# Allegro board FMDEMOD-before-back-annote.brd (continued)
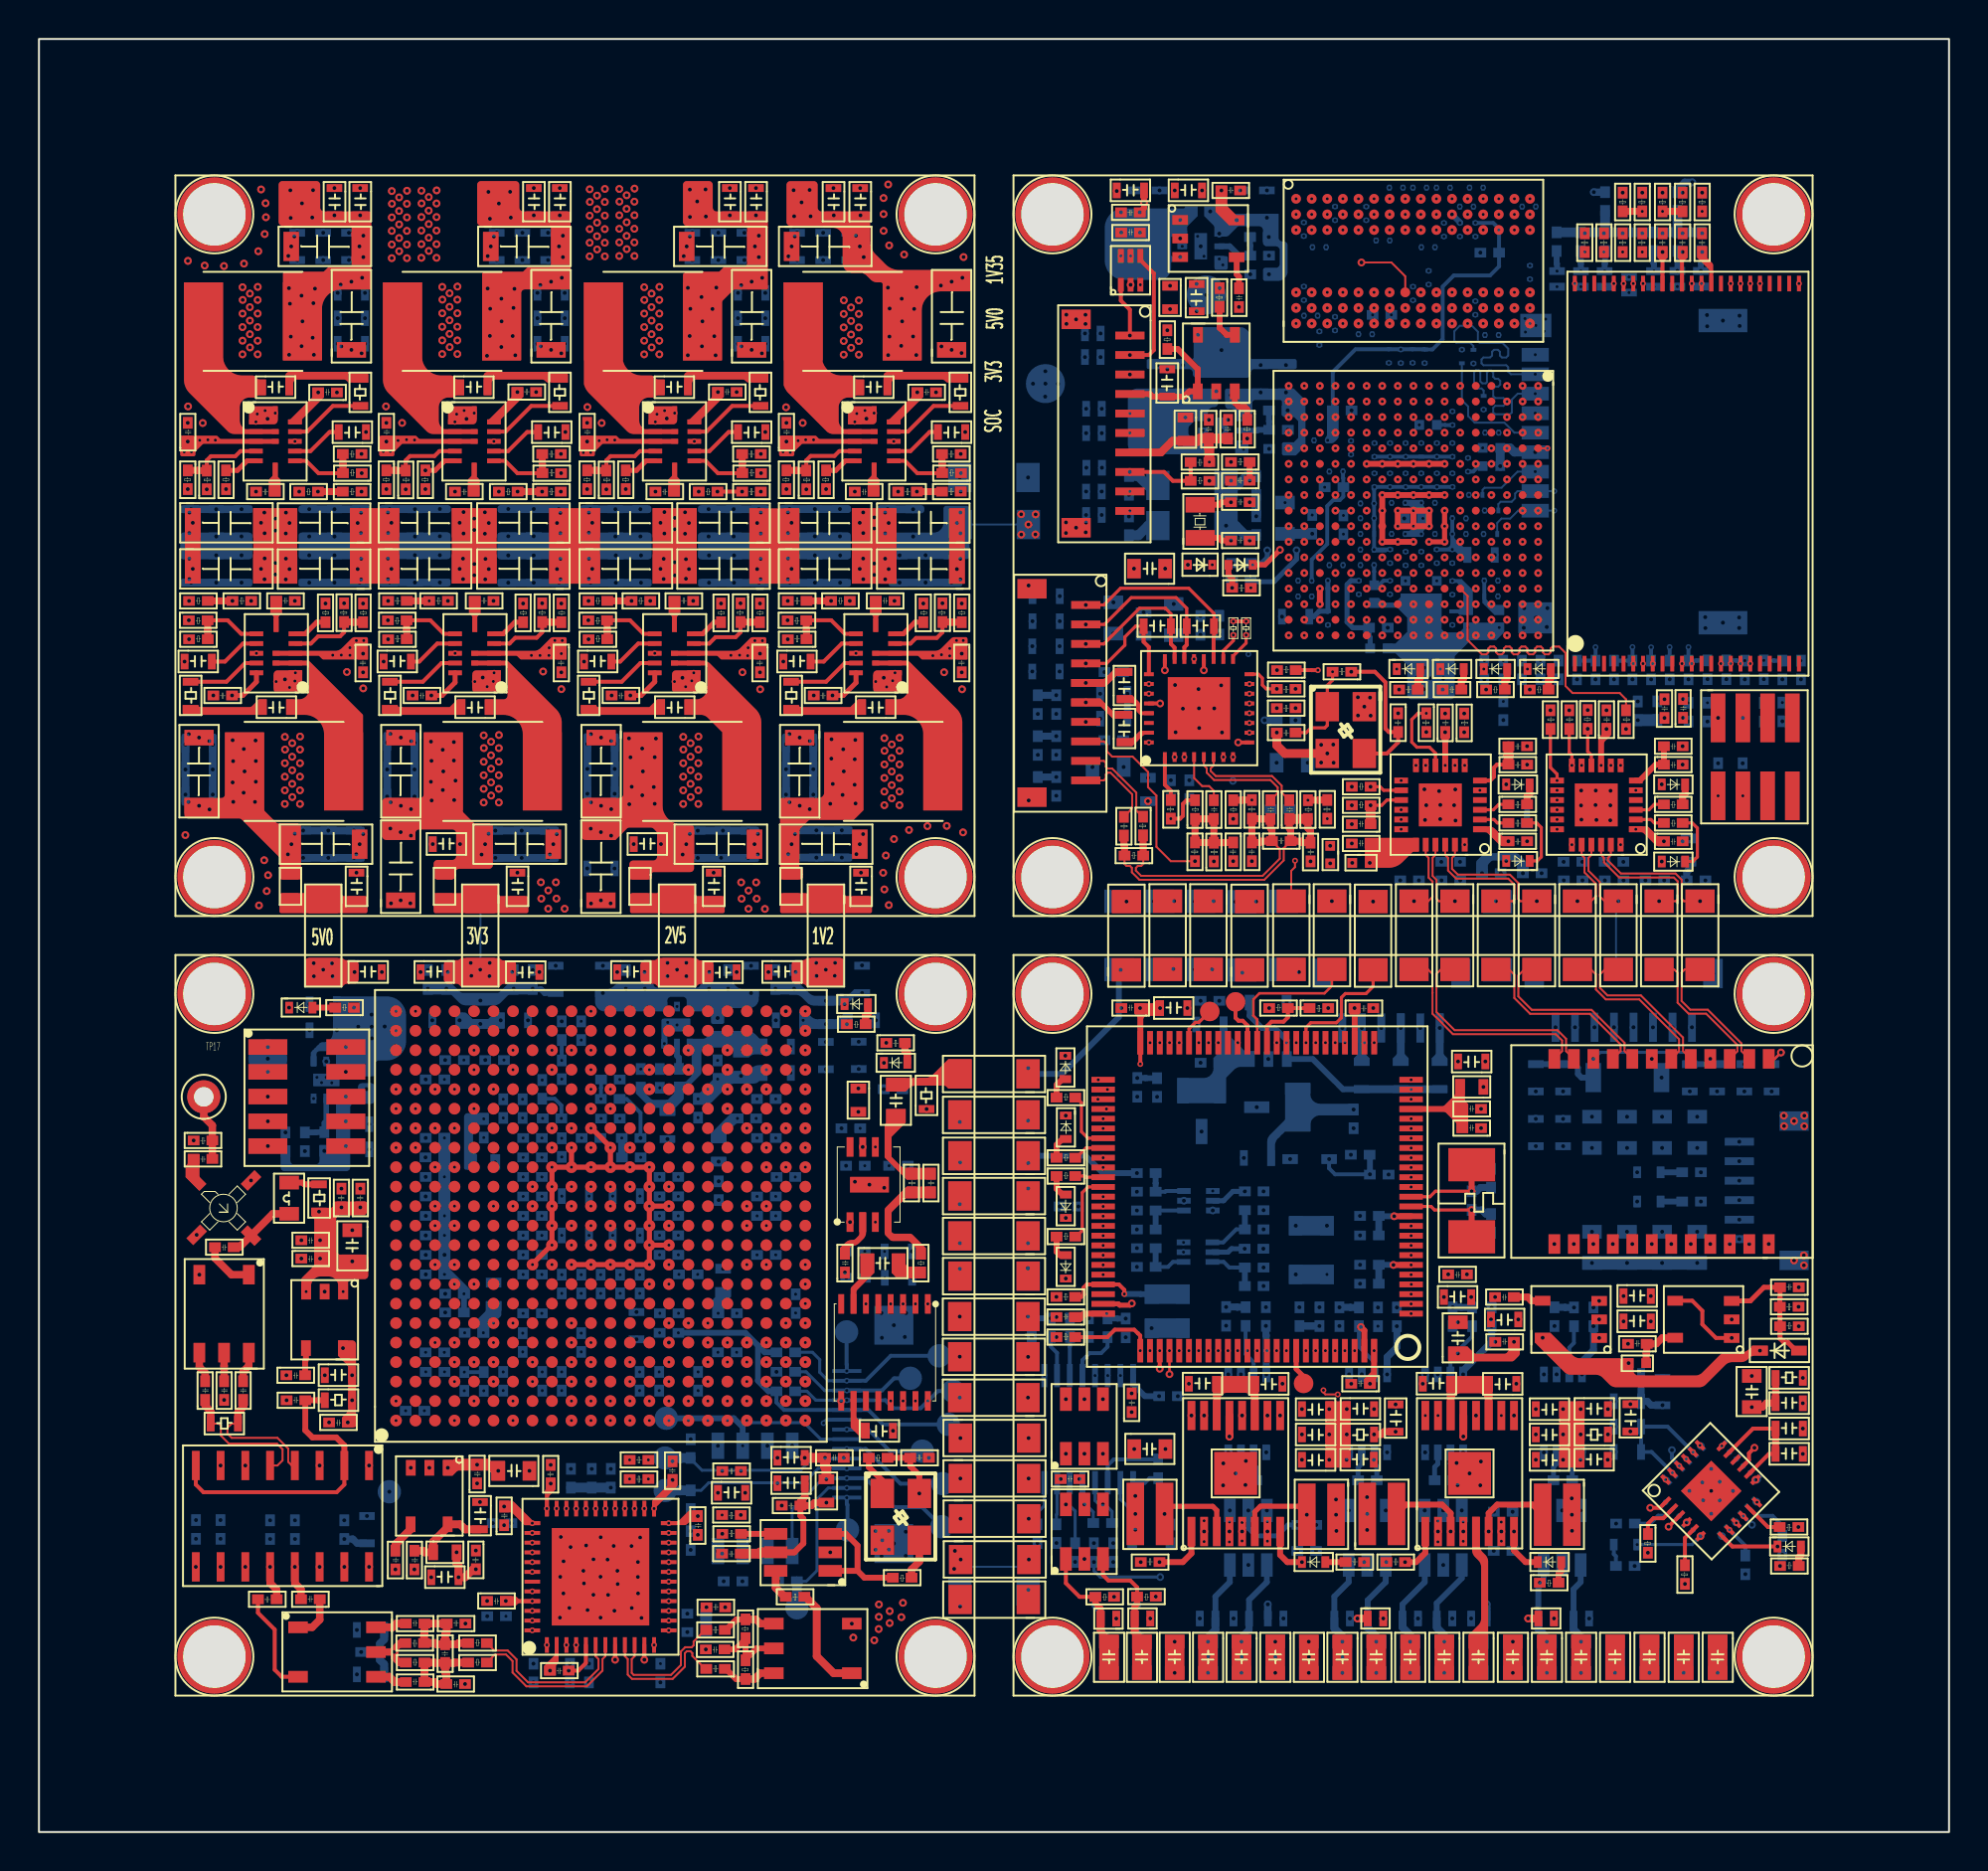
[diagram p0: board, top side]
## Routing (per net, layer and track width the routed paths; a pad name or vN(x,y) marks a point on that pad's centre or on a via; arc(x,y) is an arc through that point) (continued)
SDQS0P: length 22
  SIGNAL-L7 w0.1: v13(66.52,70.2) 67.09,70.2 67.36,69.92 67.36,68.13 67.01,67.78 65.7,67.78 65.6,67.68 65.6,67.35 65.74,67.21 67.58,67.21 67.91,67.54 67.91,68.04 68.35,68.48 68.35,68.65 68.19,68.81 68.19,69.48 67.86,69.81 67.86,71.2 67.98,71.33 67.98,72.11 67.79,72.3 67.79,72.73 67.91,72.85 67.91,73.1 67.73,73.28 67.73,73.52 67.94,73.73 67.94,73.92 67.7,74.15 67.7,74.49 67.26,74.93 67.26,75.68 67.92,76.34 69.03,76.34 69.12,76.43 69.12,76.74 68.79,77.06 68.79,77.65 68.6,77.84 v19(68.42,77.84) 68.76,78.18 68.76,78.74 v13(68.5,79)
SDQS1N: length 17.1
  SIGNAL-L7 w0.1: v13(65.3,82.2) 65.58,81.92 65.58,81.55 v19(65.34,81.31) 65.53,81.13 65.53,81.03 65.36,80.86 64.86,80.86 64.68,81.04 64.09,81.04 63.82,80.77 63.82,80.36 64.27,79.91 64.93,79.91 65.03,79.81 65.03,79.56 64.86,79.39 64.4,79.39 64.18,79.17 64.18,78.09 64.08,77.99 63.83,77.99 63.57,77.74 63.57,77.08 63.8,76.85 64.95,76.85 65.11,76.69 65.11,76.55 65.01,76.45 64.79,76.45 64.69,76.55 64.38,76.55 64.18,76.35 63.79,76.35 63.56,76.13 63.56,75.56 63.79,75.33 64.13,75.33 64.34,75.55 64.64,75.55 64.74,75.45 64.74,75.07 64.64,74.97 64.56,74.97 64.39,74.81 64.39,74.13 64.46,74.06 64.46,73.86 v13(64.92,73.4)
SDQS1P: length 16.3
  SIGNAL-L7 w0.1: v13(64.92,74.2) 64.6,74.52 64.6,74.72 64.65,74.76 64.73,74.76 64.95,74.99 64.95,75.53 64.73,75.75 64.25,75.75 64.04,75.54 63.87,75.54 63.77,75.64 63.77,76.04 63.87,76.14 64.26,76.14 64.46,76.34 64.6,76.34 64.7,76.24 65.1,76.24 65.32,76.46 65.32,76.78 65.04,77.06 63.88,77.06 63.78,77.16 63.78,77.65 63.91,77.79 64.17,77.79 64.39,78.01 64.39,79.08 64.49,79.19 64.99,79.19 65.24,79.44 65.24,79.9 65.01,80.12 64.35,80.12 64.03,80.44 64.03,80.68 64.18,80.83 64.59,80.83 64.78,80.65 65.44,80.65 65.81,81.01 65.81,81.08 v19(66.04,81.31) 65.8,81.55 65.8,81.9 v13(66.1,82.2)
SDWE: length 13.8
  SIGNAL-L8 w0.1: v17(70.52,74.2) 71.58,73.14 73.36,73.14 74.19,73.97 74.19,74.14 74.19,74.14 74.19,74.99 75.55,76.36 75.55,79 74.99,79.56 72.73,79.56 72.5,79.33 v17(72.5,79)
SMTR1_ADEC: length 28.2
  SIGNAL-L7 w0.1: v19(86.38,19.85) 86.72,20.19 86.72,20.85 85.12,22.46 68.77,22.46 67.77,23.46 64.27,23.46 63.69,24.03 61.82,24.03 61.5,24.35 v13(61.5,24.7)
SMTR1_DEC0: length 26.9
  SIGNAL-L7 w0.1: v19(87.44,18.79) 88.32,19.66 88.32,22.39 86.31,24.39 73.76,24.39 72.94,25.22 67.2,25.22 67,25.02 v13(67,24.7)
SMTR1_DEC1: length 32
  SIGNAL-L7 w0.1: v13(66,24.7) 66,25.45 66.92,26.37 73.17,26.37 74.26,25.27 87.85,25.27 89.36,23.76 89.36,18.9 88.54,18.08 v14(88.15,18.08)
SMTR1_DIR: length 25.8
  SIGNAL-L7 w0.1: v13(61,24.7) 61,23.75 61.74,23.01 67.28,23.01 68.46,21.82 79.12,21.82 82.87,18.07 v19(83.53,18.07)
SMTR1_I0: length 25.7
  SIGNAL-L7 w0.1: v13(65,24.7) 65,24.37 65.38,23.99 70.73,23.99 71.84,22.88 85.42,22.88 87.18,21.12 87.18,19.94 v19(86.73,19.49)
SMTR1_I1: length 24.4
  SIGNAL-L7 w0.1: v19(87.09,19.14) 87.56,19.61 87.56,22.3 85.92,23.94 73.52,23.94 72.76,24.7 v13(67.5,24.7)
SMTR1_M0: length 31.2
  SIGNAL-L7 w0.1: v13(59.5,24.7) 59.5,23.07 64.42,18.15 78.44,18.15 79.83,16.76 79.83,15.99 80.44,15.38 81.94,15.38 82.53,14.8 84.16,14.8 v19(84.87,15.51)
SMTR1_M1: length 29.5
  SIGNAL-L7 w0.1: v13(60,24.7) 60,23.35 63.46,19.9 77.87,19.9 81.89,15.88 82.23,15.88 82.86,15.25 83.9,15.25 v19(84.51,15.86)
SMTR1_NFAULT: length 32.2
  SIGNAL-L7 w0.1: v13(59,24.7) 59,22.81 64.31,17.5 75.6,17.5 76.49,16.61 76.49,15.55 77.29,14.75 v19(82,14.75)
  BOTTOM w0.16: v19(82,14.75) 84.82,14.75 U8.7
SMTR1_NSLEEP: length 29.2
  SIGNAL-L7 w0.1: v19(87.79,18.43) 88.89,19.52 88.89,23.21 87.24,24.85 73.97,24.85 73.28,25.54 66.81,25.54 66.5,25.23 v13(66.5,24.7)
SMTR1_PWM: length 40.5
  TOP w0.1: v17(65.9,22.67) 65.9,22.55 66,22.45 v17(66.63,22.45)
  SIGNAL-L7 w0.1: v19(83.45,16.92) 82.82,16.92 78.38,21.36 67.72,21.36 v17(66.63,22.45)
  SIGNAL-L8 w0.1: v17(65.9,22.67) 65.9,22.99 66.52,23.61 66.52,26.12 65.51,27.13 65.51,36.83 67.29,38.6 v17(70.4,38.6)
SMTR1_TOFF_SEL: length 27.9
  SIGNAL-L7 w0.1: v13(60.5,24.7) 60.5,23.44 61.9,22.04 65.09,22.04 66.32,20.81 77.93,20.81 82.53,16.21 v19(84.16,16.21)
SMTR2_ADEC: length 43.4
  SIGNAL-L3 w0.1: v9(85.22,19.85) 85.22,20.2 82.58,22.84 82.58,24.38 81.85,25.11 81.16,25.11 80.64,25.63 80.64,28.13 80.22,28.55 80.22,32.07 75.24,37.05 69.09,37.05 68.21,37.94 63.21,37.94 61.95,39.19 61.95,40.69 61.59,41.06 59.5,41.06 59.18,40.73 59.18,40.17 58.81,39.81 57.8,39.81 57.51,40.1 v9(57.51,40.5)
SMTR2_DEC0: length 20.9
  SIGNAL-L4 w0.1: v15(84.16,18.79) 83.86,19.09 83.29,19.09 82.52,19.86 82.52,22.5 81.68,23.34 79.61,23.34 78.31,24.63 78.31,26.47 77.05,27.74 75.55,27.74 73.69,29.6 v15(70.4,29.6)
SMTR2_DEC1: length 18.2
  SIGNAL-L3 w0.1: v9(70.41,28.1) 72.89,28.1 75.17,25.81 75.72,25.81 77.05,24.49 78.11,24.49 81.03,21.56 81.03,19.79 81.62,19.2 82.33,19.2 v9(83.45,18.08)
SMTR2_DIR: length 47.3
  SIGNAL-L3 w0.1: v9(58.01,40.5) 58.01,40.17 58.12,40.06 58.62,40.06 58.83,40.27 58.83,40.36 58.83,40.36 58.83,41.04 59.2,41.41 61.76,41.41 62.43,40.74 62.43,39.49 63.35,38.57 68.47,38.57 69.09,39.19 70.68,39.19 72.34,37.53 76.38,37.53 82.21,31.7 82.21,30.39 82.23,30.37 82.23,26.47 88.52,20.18 88.52,18.52 v8(88.07,18.07)
SMTR2_I0: length 23.3
  SIGNAL-L4 w0.1: v15(70.4,30.6) 73.76,30.6 75.98,28.38 83.25,28.38 84.32,27.3 84.32,20.04 v15(84.87,19.49)
SMTR2_I1: length 19.1
  SIGNAL-L3 w0.1: v9(84.51,19.14) 84.06,19.59 84.06,20.28 74.24,30.1 v9(70.4,30.1)
SMTR2_M0: length 23.5
  SIGNAL-L3 w0.1: v9(86.73,15.51) 85.81,16.43 83.57,16.43 83.18,16.04 82.2,16.04 81.02,17.22 79.05,17.22 77.64,18.62 77.64,21.68 75.98,23.35 72.94,23.35 70.4,25.89 v9(70.4,26.6)
SMTR2_M1: length 23.4
  SIGNAL-L3 w0.1: v9(70.4,27.1) 70.73,27.1 71.82,26 72.63,26 74.75,23.88 76.1,23.88 76.74,23.24 77.53,23.24 78.64,22.12 78.64,18.62 79.51,17.75 82.23,17.75 82.88,17.1 85.84,17.1 86.53,16.41 86.53,16.41 v9(87.09,15.86)
SMTR2_NFAULT: length 59.9
  TOP w0.2: v8(89.2,14.65) 86.88,14.65 U13.7
  SIGNAL-L3 w0.1: v8(89.2,14.65) 89.68,15.13 89.68,21.59 85.29,25.98 85.29,35.5 81.73,39.06 75.91,39.06 73.11,41.86 67.86,41.86 67.42,41.42 67.42,39.87 66.9,39.36 63.43,39.36 62.86,39.92 62.86,41.07 62.17,41.76 59.02,41.76 58.51,41.25 v9(58.51,40.5)
SMTR2_NSLEEP: length 18.9
  SIGNAL-L3 w0.1: v9(83.81,18.43) 82.44,19.8 82.44,20.98 74.07,29.34 71.75,29.34 71,28.6 v9(70.4,28.6)
SMTR2_PWM: length 38.3
  SIGNAL-L3 w0.1: v9(68.51,40.5) 70.73,40.5 72.41,38.82 74.46,38.82 74.76,38.52 80.64,38.52 84.27,34.89 84.27,26.19 88.96,21.5 88.96,17.73 v9(88.15,16.92)
SMTR2_TOFF_SEL: length 23.6
  SIGNAL-L3 w0.1: v9(70.4,27.6) 70.73,27.6 70.73,27.59 71.11,27.59 72.08,26.62 72.97,26.62 75.07,24.52 76.23,24.52 76.92,23.82 77.88,23.82 79.77,21.93 79.77,18.71 80.1,18.39 82.36,18.39 83.21,17.54 86.12,17.54 v9(87.44,16.21)
SPK_LN: length 9
  TOP w0.16: C191.2 58.08,62.51 57.79,62.79 56.47,62.79 54.64,60.96 v10(53.71,60.96)
  TOP w0.2: C191.2 58.08,60.96 58.27,60.77 U24.23
  SIGNAL-L4 w0.3: v16(52.37,60.84) 52.93,60.84 53.05,60.96 v10(53.71,60.96)
SPK_LP: length 8.1
  TOP w0.16: v10(53.71,59.96) 54.77,59.96 55.71,60.9 55.71,61.32 56.27,61.87 C191.1
  TOP w0.2: U24.25 56.95,60.8 56.68,61.07 C191.1
  SIGNAL-L4 w0.3: v10(53.71,59.96) 52.78,59.96 v16(52.37,59.55)
SPK_RN: length 11.3
  TOP w0.16: v10(53.71,62.96) 54.64,62.96 55.49,63.82 58.99,63.82 60.29,62.52 C193.2
  TOP w0.2: C193.2 60.29,61.3 60.27,61.27 U24.19
  SIGNAL-L4 w0.3: v10(53.71,62.96) 53.3,62.96 52.85,63.41 v16(52.38,63.41)
SPK_RP: length 10
  TOP w0.16: C193.1 58.89,62.79 58.34,63.33 56.04,63.33 54.67,61.96 v10(53.71,61.96)
  TOP w0.2: C193.1 58.89,60.91 58.77,60.79 U24.22
  SIGNAL-L4 w0.3: v16(52.38,62.13) 52.95,62.13 53.12,61.96 v10(53.71,61.96)
STEP1A_DRV1: length 8.7
  SIGNAL-L8 w0.2: v6(86.14,9.77) 86.14,10.26 89,13.12 89,16.07 v6(88.12,16.95)
STEP1A_DRV2: length 8.4
  SIGNAL-L8 w0.2: v6(84.39,9.77) 84.39,10.19 88.19,13.99 88.19,15.46 v6(87.89,15.76)
  BOTTOM w0.127: U8.3 v6(87.89,15.76)
STEP1B_DRV1: length 8.2
  SIGNAL-L8 w0.2: v6(80.87,9.77) 80.87,10.61 84.42,14.16 85.33,14.16 v6(86.35,15.18)
STEP1B_DRV2: length 8.2
  SIGNAL-L8 w0.2: v6(87.06,15.89) 87.36,15.59 87.36,14.49 v6(82.64,9.77)
STEP2A_DRV1: length 10.7
  TOP w0.2: v10(82.67,16.64) 83.17,16.64 U13.1
  SIGNAL-L4 w0.2: v10(82.67,16.64) 80.22,14.19 80.22,8.81 v10(80.86,8.17)
STEP2A_DRV2: length 9.3
  TOP w0.2: U13.3 v10(83.61,15.67)
  SIGNAL-L4 w0.2: v10(82.63,8.17) 81.99,8.81 81.99,14.04 v10(83.61,15.67)
STEP2B_DRV1: length 7.4
  SIGNAL-L4 w0.2: v10(86.13,8.17) 85.25,9.05 v10(85.25,15.18)
STEP2B_DRV2: length 8.3
  SIGNAL-L4 w0.2: v10(84.39,8.17) 83.76,8.79 83.76,14.64 84.54,15.42 v10(84.54,15.89)
SWCLK: length 5.8
  TOP w0.2: v15(56.5,24.7) 56.5,25.48 56.4,25.58 56.39,25.58 56.2,25.77 55.2,25.77 54.82,25.4 R10.1
  SIGNAL-L4 w0.16: v15(56.5,24.7) 56.5,25.27 v16(57.09,25.85)
SWDIO: length 4.7
  TOP w0.2: R11.1 53.48,27.46 53.6,27.58 53.6,27.94 53.76,28.1 U3.72 55.41,28.1 55.69,27.82 v22(55.69,27.61)
  BOTTOM w0.3: C497.1 56.53,27.6 56.52,27.61 v22(55.69,27.61)
TCK: length 19.9
  SIGNAL-L8 w0.1: v7(41.45,22.66) 40.66,22.66 40.12,22.11 v17(28.32,22.11)
  BOTTOM w0.16: R247.2 39.36,23.61 40.31,22.66 v7(41.45,22.66)
  BOTTOM w0.2: v7(41.45,22.66) 43.25,22.66 43.88,23.28 TP30.1
TDI: length 26.1
  SIGNAL-L8 w0.1: v17(28.32,25.11) 28.74,24.7 34.53,24.7 35.06,25.23 41.21,25.23 42.17,24.27 42.17,22.55 41.77,22.16 v7(41.45,22.16)
  BOTTOM w0.16: v7(41.45,22.16) 39.86,22.16 39.4,22.61 R248.2
  BOTTOM w0.2: TP31.1 46.12,22.63 45.24,21.75 43.84,21.75 43.43,22.16 v7(41.45,22.16)
TDO: length 15.3
  SIGNAL-L8 w0.1: v7(41.45,23.66) 40.68,23.66 40.23,24.11 v17(28.32,24.11)
  BOTTOM w0.2: v7(41.45,23.66) 41.45,23.98 41.44,23.99 TP28.1
TMS: length 24.4
  SIGNAL-L8 w0.1: v7(41.45,23.16) 40.26,23.16 39.84,22.74 28.15,22.74 27.72,22.31 27.72,21.71 v17(28.32,21.11)
  BOTTOM w0.16: v7(41.45,23.16) 40.49,23.16 40.06,23.59 40.06,24.24 39.69,24.61 R250.2
  BOTTOM w0.2: v7(41.45,23.16) 42.42,23.16 43.7,24.43 TP29.1
TTL_TXD: length 14.5
  SIGNAL-L4 w0.1: v16(51.23,14.83) 50.78,15.28 v10(50.78,16.08)
  SIGNAL-L8 w0.1: v6(55.76,25.38) 55.76,23.16 53.77,21.18 52.6,21.18 51.23,19.81 v16(51.23,14.83)
USB_OTG1_DN: length 14.7
  SIGNAL-L7 w0.1: v13(55.97,68.78) 55.97,68.49 56.07,68.39 56.6,68.39 57.45,67.55 57.45,64.57 58.22,63.8 63.66,63.8 63.98,63.48 64.44,63.48 v13(64.92,63)
  SIGNAL-L7 w0.26: v14(54.53,68.78) 55.64,68.78 55.65,68.78 v13(55.97,68.78)
USB_OTG1_DP: length 13.9
  SIGNAL-L7 w0.1: v13(64.12,63) 63.53,63.59 58.13,63.59 57.24,64.49 57.24,67.46 56.52,68.18 56.07,68.18 55.97,68.08 v13(55.97,67.78)
  SIGNAL-L7 w0.26: v13(55.97,67.78) 55.2,67.78 54.99,67.58 v14(54.52,67.58)
USB_OTG1_ID: length 21.7
  TOP w0.2: R180.1 59.09,69.86 59.09,69.86 R181.2 58.17,69.33 57.72,69.78 v11(55.97,69.78)
  SIGNAL-L7 w0.26: v11(55.97,69.78) 55.13,69.78 54.91,70 v14(54.54,70)
  SIGNAL-L8 w0.1: v17(69.72,64.6) 68.9,65.42 67.99,65.42 67.49,65.92 65.18,65.92 64.21,66.9 62.03,66.9 60.79,68.13 58.8,68.13 57.15,69.78 v11(55.97,69.78)
USB_OTG1_VBUS: length 17.7
  TOP w0.4: J17.7 57.56,70.78 58.11,71.33 58.11,71.33 58.16,71.38 58.82,71.38
  TOP w0.5: v15(60.05,70.29) 60.05,71 60.02,71.02 C166.2 ; 58.82,71.38 59.46,71.38 59.58,71.5 C166.2 ; C166.2 C167.2
  SIGNAL-L4 w0.1: v16(64.52,65.77) 64.89,65.4 v15(64.92,65.4)
  SIGNAL-L4 w0.16: v16(64.52,65.77) 64.52,67.49 63.96,68.06 62.28,68.06 v15(60.05,70.29)
  BOTTOM w0.26: C145.2 63.37,64.16 64.52,65.31 v16(64.52,65.77)
USB_OTG2_DN: length 17.3
  SIGNAL-L7 w0.1: v13(55.97,72.78) 55.97,72.49 56.07,72.39 58,72.39 58.86,71.53 58.86,66.28 59.86,65.28 63.22,65.28 63.36,65.42 64.19,65.42 64.62,65 64.62,64.9 v13(64.92,64.6)
  SIGNAL-L7 w0.26: v13(55.97,72.78) 55.15,72.78 54.91,73.03 v14(54.53,73.03)
USB_OTG2_DP: length 16.8
  SIGNAL-L7 w0.1: v13(64.12,64.6) 64.35,64.83 64.35,64.97 64.11,65.21 63.44,65.21 63.31,65.07 59.77,65.07 58.65,66.19 58.65,71.44 57.91,72.18 56.07,72.18 55.97,72.08 v13(55.97,71.78)
  SIGNAL-L7 w0.26: v13(55.97,71.78) 55.65,71.78 55.64,71.78 v14(54.53,71.78)
USB_OTG2_VBUS: length 18.8
  SIGNAL-L4 w0.16: v10(58.03,78.14) 58.49,78.14 58.71,77.92 58.71,74.45 58.26,74 58.26,69.18 60.3,67.14 62.12,67.14 63.02,66.24 v16(63.02,65.76) 63.49,65.3 64.02,65.3 v15(64.12,65.4)
  BOTTOM w0.26: C148.2 62.73,65.11 63.02,65.4 v16(63.02,65.76)
USB_VBUS: length 6.8
  TOP w0.3: R398.2 58.42,76.09 59.45,75.06 59.45,73.92 59.03,73.92 58.76,73.65 C162.1 57.13,73.65 57,73.78 J17.4
VCOM: length 14.4
  TOP w0.3: 18.25,9.23 v20(18.22,9.23)
  TOP w0.36: R233.1 18.53,9.69 18.25,9.41 18.25,8.94 18.49,8.69 R234.2 ; T4.4 v20(18.22,9.23)
  SIGNAL-L4 w0.36: v10(26.22,8.28) 24.26,8.28 23.31,9.23 v20(18.22,9.23)
  BOTTOM w0.4: C5589.1 17.71,8.61 17.49,8.83 C206.1 ; C206.1 v20(18.22,9.23) ; C206.1 17.49,9.67 17.71,9.89 C5588.1
VDPL1: length 0.7
  PWR-L6 w0.38: v2(34.85,26.62) 34.82,26.62 v1(34.32,26.11)
VDPL2: length 0.7
  PWR-L6 w0.38: v2(22.82,36.59) 22.82,36.61 v1(22.32,37.11)
VDPL3: length 0.7
  PWR-L6 w0.38: v1(23.32,26.11) 22.82,25.62 v2(22.8,25.62)
VDPL4: length 0.7
  PWR-L6 w0.38: v2(35.84,36.61) 35.82,36.61 v1(35.32,37.11)
VENET_3V3: length 0
  TOP w0.127: 72.15,56.44 v3(72.15,56.43)
  vias: v1(72.15,54.73) v1(80.15,54.73) v3(66.25,49.7) v3(67.36,53.63) v3(67.36,52.68) v3(67.38,49.73) v3(71.18,56.44) v3(75.28,53.76) v3(75.28,49.83) v3(77.55,57.56) v3(78.52,57.56) v3(80.42,56.6) v3(83.26,53.76) v3(83.26,49.8) v4(75.39,54.77) v4(75.39,51.78) v4(84.63,50.98)
VMTR1: length 0.8
  PWR-L6 w0.3: v3(61.73,21.37) 61.73,20.55
  vias: v3(66.2,21.7) v3(66.2,20.4) v3(66.2,19.1) v3(67.1,21.7) v3(67.1,20.4) v3(67.09,19.1)
VMTR2:
  vias: v3(73.73,21.37) v3(78.2,21.7) v3(78.2,20.4) v3(78.2,19.1) v3(79.1,21.7) v3(79.1,20.4) v3(79.09,19.1)
VREF_2V5: length 3.1
  PWR-L6 w0.3: v1(70.4,36.6) 68.75,36.6 68.28,37.07 v4(67.45,37.07)
VSMTR1: length 6
  PWR-L6 w0.3: v4(83.3,21.9) 83.3,20.56 83.78,20.08 v4(83.78,19.59)
  BOTTOM w0.2: v4(83.78,19.59) 83.78,19.17 83.86,19.09 83.86,19.08 U8.15
  BOTTOM w0.36: v4(83.3,21.9) 82.72,21.9 82.52,22.1 C20.1 R19.1
VSMTR2: length 6
  TOP w0.2: v3(88.02,19.72) 87.74,19.44 87.74,19.08 U13.15
  TOP w0.36: v3(87.88,21.8) 88.42,21.8 88.64,22.01 89.09,22.01 C36.1 R32.1
  PWR-L6 w0.3: v3(88.02,19.72) 88.02,20.74 87.88,20.87 v3(87.88,21.8)
XTALI: length 11.5
  TOP w0.2: v18(67.33,59.53) 68.54,59.53 69.09,58.99 69.09,56.61 69.26,56.44 C122.2 69.73,55.91 69.16,55.34 68,55.34
  SIGNAL-L7 w0.1: v18(67.33,59.53) 66.17,60.7 66.17,61.46 65.43,62.2 v13(64.92,62.2)
XTALO: length 7.1
  TOP w0.16: C128.2 65.02,56.41 65.27,56.66 65.97,56.66 66.1,56.78 Y2.1 66.1,58.84 66.37,59.11 v13(66.37,59.53)
  SIGNAL-L7 w0.1: v13(66.37,59.53) 64.92,60.98 v13(64.92,61.4)
ZQ0: length 0.6
  BOTTOM w0.3: v2(72.9,82.56) 72.9,82.6 v20(72.5,83)
ZQ1: length 0.6
  PWR-L6 w0.3: v1(72.5,83.8) v2(72.9,83.4)
ZQPAD: length 0.4
  PWR-L6 w0.3: v1(67.32,71.8) 67.32,71.8 v2(67.32,71.38)
N02684: length 9.7
  TOP w0.26: v8(57.75,16.32) 58.14,16.71 60.23,16.71 60.43,16.5 U7.3
  SIGNAL-L3 w0.127: v8(57.75,16.32) 57.75,16.7 57.75,16.7 57.75,17.08 58.1,17.43 60.03,17.43 61.02,18.42 v12(61.02,19.48)
N02906: length 8.1
  TOP w0.26: v11(65.05,16.28) 64.62,16.71 62.67,16.71 62.38,16.43 U7.6
  SIGNAL-L8 w0.1: v6(67.22,19.48) 67.22,18.45 v11(65.05,16.28)
N04940: length 1
  TOP w0.3: D5.2 R27.2
N07800: length 1.5
  BOTTOM w0.25: R24.1 68.64,18.77 68.52,18.89 U10.2
N07815: length 1.5
  BOTTOM w0.25: R24.2 67.68,18.7 67.87,18.89 U10.3
N08892: length 1.5
  BOTTOM w0.25: U11.2 62.32,18.83 62.46,18.69 R25.1
N08904: length 1.5
  BOTTOM w0.25: U11.3 61.67,18.89 61.5,18.72 R25.2
N10404: length 2.7
  BOTTOM w0.2: U11.7 62.32,24.11 61.91,24.52 R30.1
N11136: length 2.8
  BOTTOM w0.2: U10.7 68.52,24.11 67.72,24.9 R31.1
N27979: length 8.7
  TOP w0.3: R35.2 70.13,16.8 71.99,16.8 72.43,16.36 v11(72.43,15.42)
  SIGNAL-L8 w0.1: v6(71.12,19.48) 71.54,19.06 71.54,16.31 v11(72.43,15.42)
N28117: length 10.5
  TOP w0.3: v11(74.38,15.42) 74.38,16.36 74.82,16.8 76.63,16.8 R37.2
  SIGNAL-L8 w0.1: v11(74.38,15.42) 73.97,15.83 73.97,17.67 75.79,19.48 v6(77.22,19.48)
N28299: length 1.5
  BOTTOM w0.25: U16.2 78.52,18.89 78.67,18.74 R38.1
N28303: length 1.5
  BOTTOM w0.25: U16.3 77.87,18.89 77.71,18.73 R38.2
N28307: length 1.5
  BOTTOM w0.25: R39.1 72.57,18.74 72.42,18.89 U17.2
N28311: length 1.5
  BOTTOM w0.25: R39.2 71.61,18.73 71.77,18.89 U17.3
N28637: length 1.1
  TOP w0.3: R41.2 77.97,13.24 78.1,13.38 D13.2
N28731: length 2.6
  BOTTOM w0.2: R45.1 78.76,25.09 78.52,24.85 U16.7
N28759: length 2.9
  BOTTOM w0.2: U17.7 72.42,24.31 73.53,25.43 R44.1
N30927: length 2.6
  BOTTOM w0.2: U8.2 88.14,16.22 88.94,16.22 89.45,15.72 R20.1
N30933: length 1.7
  BOTTOM w0.2: R22.1 87.55,14.69 U8.5
N33222: length 6.7
  BOTTOM w0.2: 83.85,18.39 82.74,19.5 C18.1 C27.1 83.56,20.8 84.91,19.45
N38076: length 2.2
  BOTTOM w0.2: R28.1 82.67,15.83 83.07,16.23 83.47,16.23 U8.11
N39890: length 1.1
  BOTTOM w0.2: R29.1 80.91,14.15 80.8,14.26 D6.2
N41862: length 6
  TOP w0.2: 86.69,19.45 87.94,20.7 C38.1 ; C34.1 88.76,19.4 87.75,18.39
  TOP w0.36: C38.1 C34.1
N42130: length 2.1
  TOP w0.2: R34.1 82.55,15.82 82.83,16.1 83.34,16.1 U13.2
N42224: length 2
  TOP w0.2: U13.5 84.45,15.09 R36.1
N42300: length 1.9
  TOP w0.2: R42.1 88.71,15.65 U13.11
N42416: length 1
  TOP w0.36: R43.1 90.29,14.09 90.4,14.2 D14.2
N50111: length 6.6
  TOP w0.25: D18.1 90.15,24.7 89.72,25.13 89.53,25.13 89.33,25.33 R46.2 89.33,26.39 89.32,26.4 R47.1 89.32,27.39 89.33,27.4 C50.2 88.5,27.95 87.8,27.25 U18.3
N52095: length 2.6
  TOP w0.36: L2.1 82.46,24.58 82.49,24.61 C49.1 82.98,25.05 83.29,25.36 U18.5
N57288: length 8.6
  BOTTOM w0.3: U1.4 62.12,41.88 62.75,41.25 63.4,41.25 64.03,40.63 64.03,39.66 65.35,39.66 66.9,38.11 R3.1
N4007879: length 1.4
  PWR-L6 w0.2: v2(66.93,66.59) 66.93,65.79 v1(67.32,65.4)
N4008796: length 3.2
  PWR-L6 w0.26: v2(66.13,64.21) v1(66.52,64.6)
  BOTTOM w0.26: v2(66.13,64.21) 66.13,63.8 C69.1 65.68,62.63 65.4,62.36 C70.1
N4087915: length 6.2
  TOP w0.3: Y3.2 60.56,68.1 60.68,68.23 v18(61.16,68.23)
  SIGNAL-L7 w0.1: v18(61.16,68.23) 61.43,67.96 62.62,67.96 63.95,66.63 64.49,66.63 v13(64.92,66.2)
N4087935: length 5.3
  TOP w0.3: v18(61.16,66.27) 60.68,66.27 60.55,66.4 Y3.1
  SIGNAL-L7 w0.1: v13(64.12,66.2) 63.04,66.2 62.43,66.82 61.33,66.82 61.16,66.64 v18(61.16,66.27)
N4129499: length 1.1
  TOP w0.36: D22.2 70.87,59.2 70.75,59.08 R55.2
N4198004: length 2.8
  PWR-L6 w0.2: v1(65.72,65.4) 65.33,65.79 v4(65.33,66.61)
  BOTTOM w0.5: C147.2 64.9,66.61 64.9,66.61 v4(65.33,66.61)
N4201231: length 1.3
  SIGNAL-L4 w0.1: v16(59.02,53.97) 59.02,54.48 58.77,54.74 v15(58.77,55.16)
N4201841: length 1.3
  SIGNAL-L4 w0.1: v16(58.07,53.97) 58.07,54.54 58.27,54.73 v15(58.27,55.16)
N4206925: length 4.9
  TOP w0.2: R139.1 65.29,59.62 65.29,59.61 v9(65.62,59.61)
  SIGNAL-L3 w0.1: v9(66.52,63) 66.52,61.21 65.62,60.31 v9(65.62,59.61)
N4209990: length 0.9
  SIGNAL-L3 w0.1: v9(81.15,50.66) 81.15,50.3 81.29,50.16 v12(81.29,49.78)
N4216158: length 1.1
  TOP w0.36: R80.2 84.33,53.13 84.46,53.26 84.46,53.76
N4216162: length 3.1
  TOP w0.16: D26.1 84.85,49.8 85.09,50.03 85.09,51.51 84.82,51.78 R81.2
N4216453: length 2.7
  TOP w0.3: U21.6 82.13,53.95 82.95,54.77 C88.1 C89.1
N4219956: length 3.4
  SIGNAL-L3 w0.2: v8(81.43,56.6) 81.43,55.48 81.93,54.98 v9(81.93,53.45)
N4226540: length 1.1
  TOP w0.36: 76.48,53.76 76.48,53.26 76.35,53.13 R115.2
N4226544: length 3
  TOP w0.16: D28.1 76.87,49.83 77.08,50.03 77.08,51.54 76.84,51.78 R117.2
N4226630: length 3
  TOP w0.2: U22.6 74.46,53.95 74.66,54.15 74.66,54.62 74.8,54.77 C105.1
  TOP w0.5: C105.1 75.39,55.19 75.39,55.2 C106.1
N4226754: length 1
  SIGNAL-L3 w0.1: v9(73.15,50.66) 73.15,50.33 73.18,50.31 73.18,50.05 v12(72.91,49.78)
N4226762: length 3.3
  SIGNAL-L3 w0.127: v9(73.93,53.45) 73.93,55.62 v8(73.12,56.43)
N4244964: length 1.6
  TOP w0.127: v20(89.38,40) 89.05,39.67 T1.1
  BOTTOM w0.127: v20(89.38,40) 88.9,39.52 C82.2
N4245046: length 5
  SIGNAL-L8 w0.25: v11(79.75,39.67) 79.75,38.43 78.69,37.37 77.58,37.37 v6(76.8,36.59)
N4245050: length 1.9
  SIGNAL-L8 w0.25: v6(87.5,39.4) 86.84,39.4 86.58,39.67 v11(85.75,39.67)
N4245054: length 6.6
  SIGNAL-L8 w0.25: v11(82.75,39.67) 82.75,38.42 80.92,36.59 v6(78.2,36.59)
N4254817: length 8.9
  SIGNAL-L7 w0.127: v18(88.75,30.17) 88.75,34.84 86.1,37.49 v14(86.1,38)
N4254839: length 8.6
  SIGNAL-L7 w0.127: v18(85.75,30.17) 86.18,30.6 86.18,34.96 84.7,36.43 v14(84.7,38)
N4254858: length 9.7
  SIGNAL-L7 w0.127: v14(78.2,38) 78.91,37.29 78.91,34.99 81.2,32.7 81.2,32.12 82.75,30.58 v18(82.75,30.17)
N4255061: length 9.6
  SIGNAL-L7 w0.127: v14(76.8,38) 77.51,37.29 77.51,34.72 80.4,31.82 80.4,30.82 v18(79.75,30.17)
N4255753: length 11.3
  BOTTOM w0.16: C81.1 79.75,39.65 80.1,40.01 84.49,40.01 84.7,39.79 R68.2
  BOTTOM w0.3: R68.2 R67.2 ; R77.2 R69.2 78.78,39.4 78.96,39.22 78.96,38.9 79.15,38.71 C81.1
N4905822: length 1.6
  TOP w0.36: U5.4 76.57,27.26 76.38,27.45 C7.2
N4949904: length 1.1
  TOP w0.36: R56.2 72.98,59.08 73.1,59.2 73.1,59.67
N4950154: length 1.1
  TOP w0.36: D23.2 75.33,59.2 75.21,59.08 R53.2
N4950158: length 1.1
  TOP w0.36: D21.2 77.57,59.2 77.45,59.08 R54.2
N4962302: length 2
  TOP w0.3: U29.4 60.94,76.82 60.58,77.18 R157.2
N4962318: length 1.9
  TOP w0.3: R164.1 61.99,73 61.87,73.13 61.57,73.13 61.35,73.34 61.35,73.92
N4966591: length 2.1
  TOP w0.36: v15(65.11,52.94) 65.66,52.94 65.67,52.95 R186.1
  SIGNAL-L4 w0.1: v15(65.11,52.94) 64.62,52.94 v23(64.16,52.48)
N4966598: length 2.1
  TOP w0.36: R200.2 61.7,52.94 61.71,52.95 v15(62.23,52.95)
  SIGNAL-L4 w0.1: v15(62.23,52.95) 62.72,52.95 v23(63.2,52.48)
N4966923: length 10.4
  TOP w0.2: R182.2 58.89,52.94 58.69,52.75 58.69,52.14 58.55,51.99 v15(58.07,51.99)
  SIGNAL-L4 w0.1: v15(66.1,51.99) 62.55,51.99 62.09,52.46 60.4,52.46 59.94,51.99 v15(58.07,51.99)
N4969505: length 2.4
  SIGNAL-L4 w0.1: v16(55.85,58.4) 56.62,58.4 56.62,58.41 v15(56.95,58.41)
  BOTTOM w0.36: v16(55.85,58.4) C127.1
N4971120: length 5.4
  TOP w0.36: R184.2 59.85,50.76 59.84,50.77 R183.1 R182.1 C175.1 R184.2 ; R184.2 60.84,50.76 60.85,50.77 C176.1
N4987405: length 4.5
  TOP w0.2: R15.1 56.34,12.56 55.99,12.9 54.87,12.9 54.59,13.18 U54.3
  TOP w0.3: 56.22,10.96 56.22,11.57 56.34,11.7 R15.1
N4987412: length 4.3
  TOP w0.2: U54.1 52.69,12.77 53.39,12.07 R14.1
  TOP w0.3: R14.1 54.2,11.75 54.47,11.47 D53.2
N6029558: length 11.8
  SIGNAL-L8 w0.1: v6(56.34,12.08) 55.92,12.5 55.92,15.21 55.34,15.78 54.31,15.78 53.79,16.3 53.79,18.61 v11(54.59,19.41)
  BOTTOM w0.36: 56.59,9.77 56.59,9.97 56.22,10.34 D51.2 56.22,11.47 56.34,11.59 v6(56.34,12.08)
N6029565: length 11
  SIGNAL-L8 w0.1: v6(54.19,12.08) 53.29,12.98 53.29,15.41 52.15,16.55 52.15,18.87 v11(52.69,19.41)
  BOTTOM w0.36: C459.1 54.9,9.9 54.48,10.32 D52.2 54.48,11.33 54.19,11.62 v6(54.19,12.08)
N6357472: length 3.6
  SIGNAL-L4 w0.3: v16(52.19,56.23) 52.82,56.86 52.82,57.62 53.16,57.96 v10(53.71,57.96)
  BOTTOM w0.36: R203.1 v16(52.19,56.23)
N6357497: length 2.7
  SIGNAL-L4 w0.3: v10(53.71,58.96) 52.83,58.96 v16(52.19,58.33)
  BOTTOM w0.36: C198.1 v16(52.19,58.33)
N7057664: length 0.7
  SIGNAL-L7 w0.1: v19(86.15,53.88) v13(86.15,53.17)
N7057668: length 0.7
  SIGNAL-L7 w0.1: v19(87.41,53.88) 87.41,53.5 87.42,53.49 v13(87.42,53.17)
N7060478: length 4.7
  SIGNAL-L3 w0.1: v8(87.42,57.17) 87.42,57.87 86.58,58.71 v12(86.58,59.15) 86.74,59.15 87.3,58.59 87.75,58.59 88.31,59.15 v12(88.5,59.15)
N7060523: length 6
  SIGNAL-L3 w0.1: v12(85.61,59.15) 85.61,58.65 86.15,58.11 v8(86.15,57.17) 86.89,56.43 88.89,56.43 v12(89.45,56.99)
N7084975: length 21.5
  PWR-L6 w0.22: v2(77.75,67.8) 79.84,67.8 85.27,73.23 85.27,79.13 85.36,79.22 85.36,79.68 85.27,79.77 v4(85.27,80.1)
  BOTTOM w0.1: v2(77.75,67.8) J9.1 75.89,67.8 75.48,67.39 75.04,67.39 74.82,67.17 R160.2
  BOTTOM w0.3: v4(85.27,80.1) 85.27,80.47 85.28,80.49 R150.2
N7085009: length 19.2
  PWR-L6 w0.22: v2(77.75,68.8) 78.82,68.8 84.06,74.04 v4(84.06,80.1)
  BOTTOM w0.1: v2(77.75,68.8) J9.2 75.86,68.8 75.73,68.67 75.73,68.43 75.56,68.25 75,68.25 74.88,68.13 R161.2
  BOTTOM w0.3: R151.2 v4(84.06,80.1)
N7085027: length 17.8
  PWR-L6 w0.22: v2(76.77,69.8) 77.79,69.8 82.86,74.87 v2(82.86,80.09)
  BOTTOM w0.1: v2(76.77,69.8) 75.86,69.8 75.04,68.97 74.17,68.97 74.07,68.87 R162.2
  BOTTOM w0.3: v2(82.86,80.09) 82.86,80.47 82.83,80.5 R152.2
N7085069: length 16.5
  PWR-L6 w0.22: v2(81.58,78.99) 81.58,75.47 77.92,71.8 v2(76.77,71.8)
  BOTTOM w0.1: R165.2 73.01,73.46 73.33,73.14 73.33,72.65 73.67,72.31 75.19,72.31 75.7,71.8 v2(76.77,71.8)
N7085119: length 20.1
  PWR-L6 w0.22: v2(76.77,73.8) 78.33,73.8 80.33,75.8 v2(80.33,80.09)
  BOTTOM w0.1: 74.12,73.69 74.12,73.96 74.02,74.07 73.72,74.07 73.63,74.15 73.63,74.91 73.73,75.01 73.87,75.01 73.95,74.93 73.95,74.43 74.05,74.33 74.23,74.33 74.29,74.39 74.29,74.89 74.39,74.99 74.51,74.99 74.61,74.89 74.61,74.66 74.71,74.56 74.87,74.56 74.97,74.46 74.97,74.26 74.87,74.16 74.71,74.16 74.61,74.06 74.61,73.68 74.71,73.58 75.14,73.58 75.24,73.48 75.24,73.28 75.14,73.18 74.71,73.18 74.61,73.08 74.61,72.84 74.71,72.74 75.47,72.74 75.57,72.84 75.57,73.5 75.87,73.8 v2(76.77,73.8)
  BOTTOM w0.3: v2(80.33,80.09) 80.33,80.47 80.35,80.49 R155.2